# Altium PCB 掌控拓展板Ⅰ V1.5.PcbDoc (part 2 of 2)
Units mm, origin at the board's own origin, x right, y up, seen from the top; angles counter-clockwise.
Board outline 51.8 x 47.39 mm, 2 copper layers (Top Layer, Bottom Layer); 113 components, 72 nets, 365 pads, 157 vias.
Unrouted connection lines stored in the file: 2.
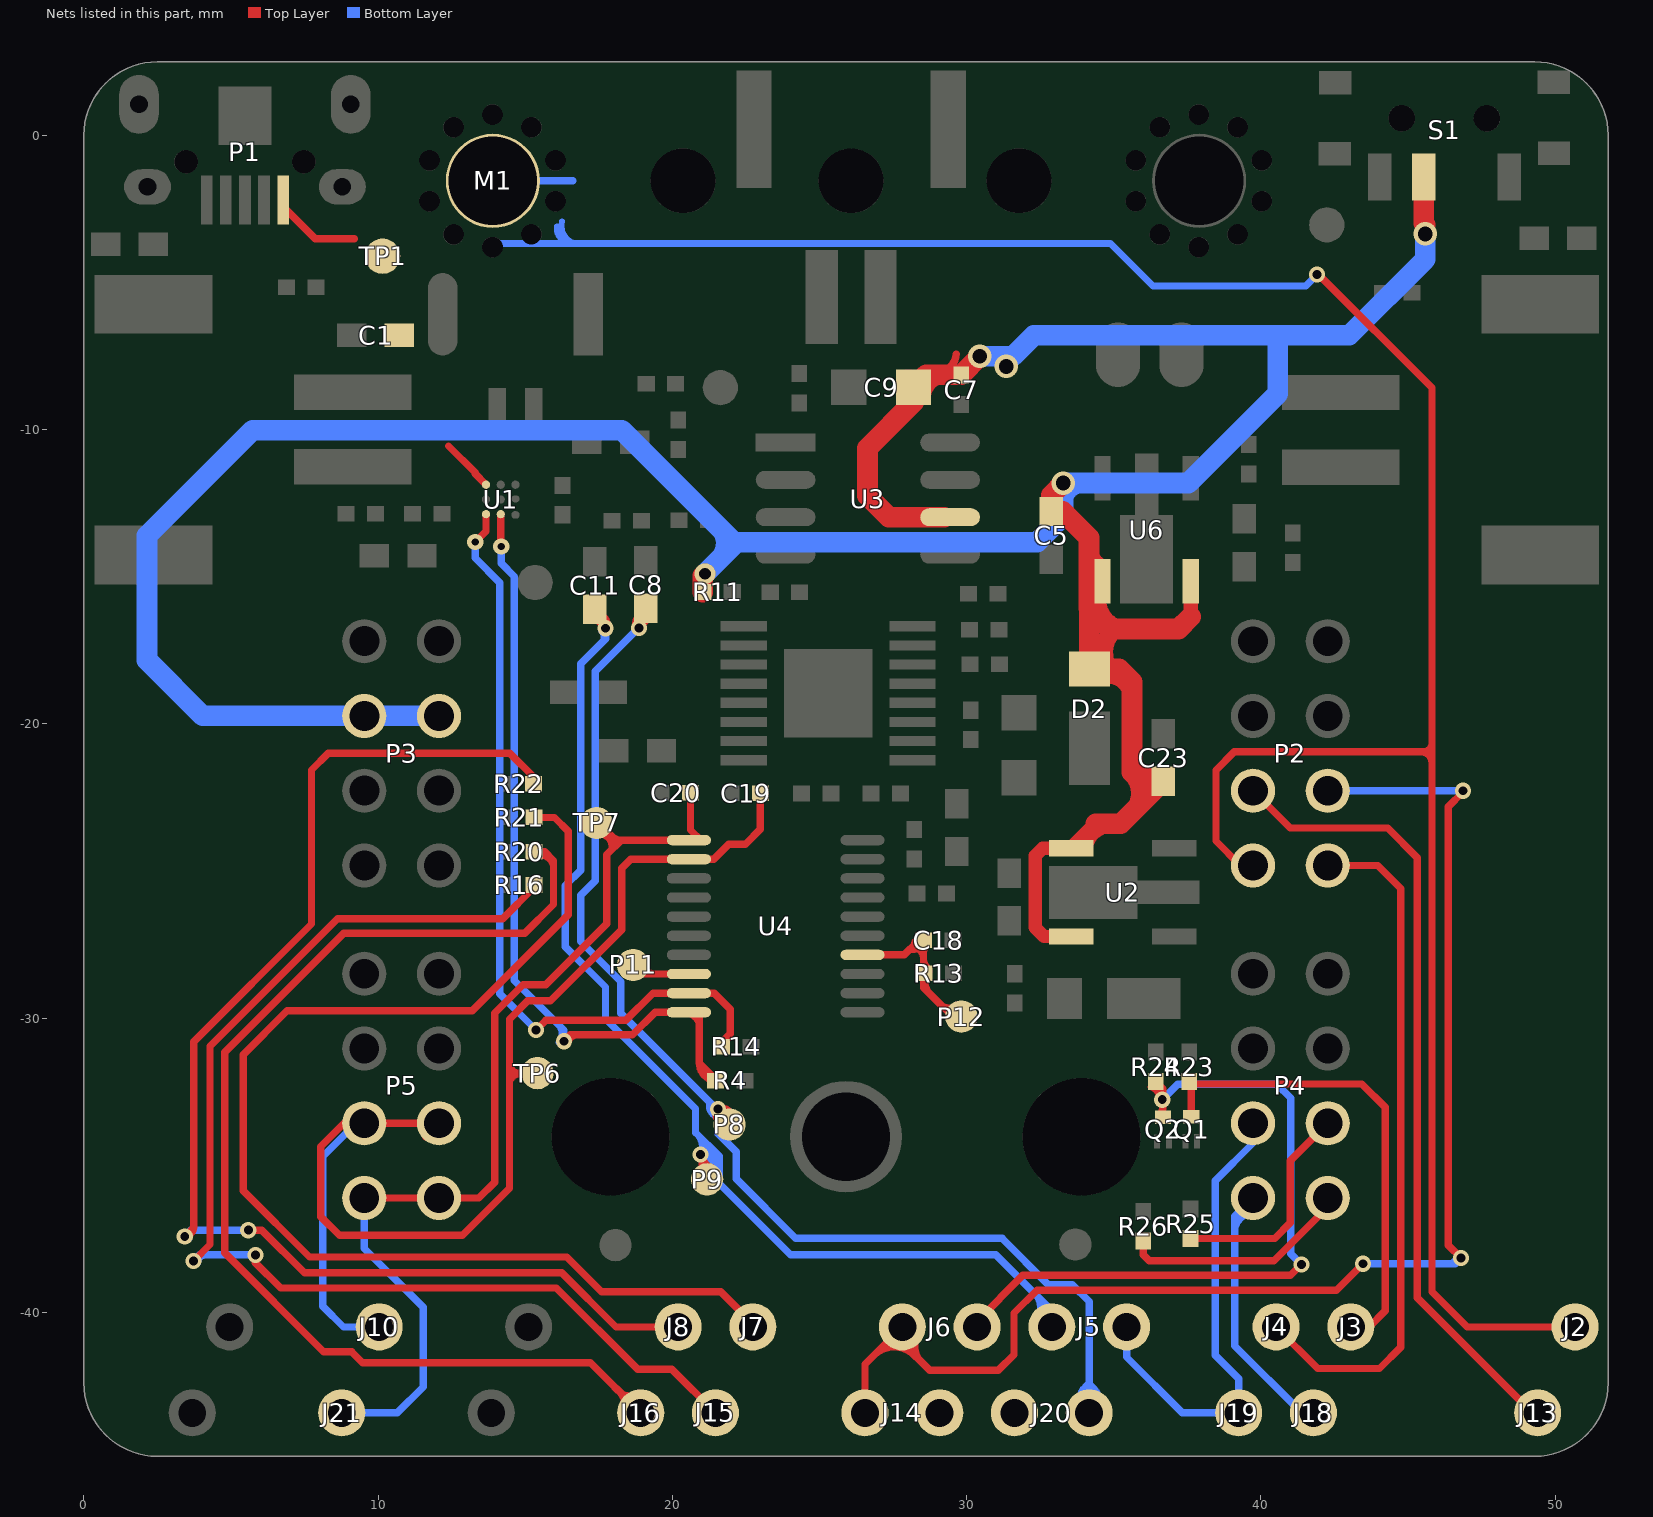
[diagram p2: the nets of this part, all layers, seen from the top]

## Via types
v1: diameter 0.55, hole 0.3, Top Layer to Bottom Layer, 118 vias
v2: diameter 0.55, hole 0.25, Top Layer to Bottom Layer, 12 vias
v3: diameter 0.6, hole 0.3, Top Layer to Bottom Layer, 9 vias
v4: diameter 0.8, hole 0.5, Top Layer to Bottom Layer, 6 vias
v5: diameter 0.7, hole 0.45, Top Layer to Bottom Layer, 5 vias
v6: diameter 0.5, hole 0.25, Top Layer to Bottom Layer, 3 vias
v7: diameter 0.65, hole 0.4, Top Layer to Bottom Layer, 2 vias
v8: diameter 0.65, hole 0.35, Top Layer to Bottom Layer, 1 vias
v9: diameter 0.7, hole 0.4, Top Layer to Bottom Layer, 1 vias

## Nets (pads, with @x,y where several pads share a name; then routed paths per layer and width w, separated by ;. In a path a pad name is that pad's centre, name@x,y a point inside that pad or via, vN(x,y) a via of type N, cw(c..) or ccw(c..) an arc to the next point about the centre after c; other vN are vias at no path point) (continued)
NRST: C18.2 P12.1 R13.2 U4.4 | length 10.2
  Top Layer w0.22: 28.068,-27.655 ccw(c28.187,-27.331) C18.2@28.51,-27.45 ; 28.213,-27.503 cw(c28.475,-27.51) C18.2@28.482,-27.248 ; C18.2@28.309,-27.591 cw(c27.98,-28.044) R13.2@28.432,-28.373 ; C18.2@28.687,-27.482 ccw(c29.12,-27.89) R13.2@28.712,-28.323 ; R13.2@28.722,-28.429 ccw(c29.15,-28.779) 28.8,-29.207 ; 29.086,-29.501 ccw(c29.396,-29.23) P12.1@29.667,-29.54
  Top Layer w0.25: U4.4@26.46,-27.848 27.884,-27.848 C18.2@28.316,-27.415 ; R13.2@28.533,-28.676 C18.2@28.533,-27.354 ; R13.2@28.548,-28.472 28.548,-28.97 29.705,-30.127 P12.1@30.159,-30.127
P0: J13.1 P2.3 | length 27.2
  Top Layer w0.25: P2.3@39.73,-22.27 40.997,-23.537 44.309,-23.537 45.314,-24.542 45.314,-39.5 49.226,-43.412 J13.1@49.405,-43.412
P1: J5.1 J19.1 P4.3 | length 16.3
  Bottom Layer w0.25: J5.1@35.434,-40.492 35.434,-41.514 37.332,-43.412 J19.1@39.245,-43.412 39.245,-42.248 38.449,-41.453 38.449,-35.523 39.73,-34.242 P4.3@39.73,-33.57
P2: J6.2 J14.2 P2.4 | length 50.8
  Top Layer w0.22: 26.897,-41.423 cw(c27.536,-42.164) 28.277,-41.526 ; J6.2@28.284,-40.765 ccw(c28.689,-41.121) 28.333,-41.526 ; J6.2@28.439,-40.628 ccw(c29.044,-41.144) 28.528,-41.749
  Top Layer w0.25: J14.2@26.544,-43.412 26.544,-41.762 J6.2@27.814,-40.492 27.814,-41.038 28.744,-41.968 31.071,-41.968 31.608,-41.43 31.608,-40.02 32.389,-39.239 42.569,-39.239 v1(43.467,-38.341) ; v1(46.801,-38.144) 46.37,-37.713 46.37,-22.809 46.866,-22.312 v1(46.866,-22.27)
  Bottom Layer w0.2: 46.345,-38.333 ccw(c46.355,-38.019) v1@46.669,-38.029
  Bottom Layer w0.25: P2.4@42.27,-22.27 v1(46.866,-22.27) ; v1(43.467,-38.341) 46.604,-38.341 v1(46.801,-38.144)
P3: J2.1 M1.1 P2.1 | length 87.5
  Top Layer w0.2: 45.436,-20.964 cw(c45.434,-21.319) 45.789,-21.321 ; 45.458,-20.939 ccw(c45.477,-20.608) 45.808,-20.627 ; 45.663,-20.949 cw(c45.442,-21.319) 45.814,-21.102
  Top Layer w0.25: P2.1@39.73,-24.81 39.302,-24.81 38.473,-23.981 38.473,-21.571 39.095,-20.949 45.663,-20.949 ; v1(41.908,-4.732) 41.971,-4.732 45.814,-8.575 45.814,-21.102 45.814,-39.293 47.013,-40.492 J2.1@50.674,-40.492
  Bottom Layer w0.2: 16.076,-3.087 ccw(c16.586,-3.157) 16.516,-3.666 ; 16.254,-2.919 ccw(c16.84,-3.08) 16.68,-3.666
  Bottom Layer w0.25: M1.1@13.9,-1.544 16.62,-1.544 ; 14.022,-3.673 18.499,-3.673 34.886,-3.673 36.333,-5.119 41.521,-5.119 v1(41.908,-4.732)
P4: 
P5: P4.4 R25.1 | length 7.5
  Top Layer w0.25: R25.1@37.607,-37.488 40.467,-37.488 40.999,-36.956 40.999,-34.841 P4.4@42.27,-33.57
P5-A: J3.2 Q1.3 R23.2 | length 16.5
  Top Layer w0.25: R23.2@37.566,-32.145 R23.2@37.63,-32.209 ; Q1.3@37.63,-33.352 R23.2@37.63,-32.209 ; J3.2@43.054,-40.492 43.679,-40.492 44.227,-39.943 44.227,-33.031 43.432,-32.236 37.657,-32.236 R23.2@37.63,-32.209
P6: J18.2 P4.1 | length 10.5
  Top Layer w0.25: P4.1@39.637,-36.11 P4.1@39.73,-36.11 ; J18.2@41.337,-43.412 J18.2@41.784,-43.412
  Bottom Layer w0.2: 39.122,-37.213 cw(c39.812,-37.306) P4.1@39.906,-36.616
  Bottom Layer w0.25: P4.1@39.73,-36.11 39.116,-36.724 39.116,-41.137 41.391,-43.412 J18.2@41.784,-43.412
P7: J4.1 P2.2 | length 23.5
  Top Layer w0.25: J4.1@40.514,-40.492 41.928,-41.905 44.029,-41.905 44.752,-41.182 44.752,-25.592 43.97,-24.81 P2.2@42.27,-24.81
P8: C8.2 J20.1 P8.1 | length 45.8
  Top Layer w0.2: v1@21.489,-33.002 ccw(c21.963,-33.21) P8.1@21.755,-33.683 ; v1@21.536,-33.031 cw(c21.624,-33.511) P8.1@22.103,-33.423 ; v1@21.7,-33.057 cw(c21.695,-33.322) P8.1@21.96,-33.327
  Top Layer w0.22: v1@18.781,-16.741 cw(c19.101,-16.576) C8.2@18.936,-16.256
  Top Layer w0.25: v1(18.861,-16.735) 19.094,-16.502 C8.2@19.094,-16.074
  Bottom Layer w0.22: 21.261,-32.854 ccw(c21.663,-32.963) v1@21.553,-33.365 ; 21.539,-33.444 ccw(c21.366,-33.264) v1(21.546,-33.091) ; J20.1@33.953,-43.552 cw(c34.627,-43.08) 34.155,-42.406 ; 34.172,-42.449 cw(c33.863,-43.006) J20.1@34.42,-43.315
  Bottom Layer w0.25: 16.885,-27.388 16.885,-25.82 17.381,-25.324 17.381,-18.215 v1(18.861,-16.735) ; 16.923,-27.426 18.251,-28.754 18.251,-29.836 v1@21.526,-33.111 ; v1@21.546,-33.131 21.546,-33.917 22.167,-34.538 22.167,-35.458 24.193,-37.483 31.205,-37.483 32.775,-39.054 33.592,-39.054 34.165,-39.627 J20.1@34.165,-43.412
P9: C11.2 J5.2 P9.1 | length 44
  Top Layer w0.22: C11.2@17.5,-16.27 cw(c17.408,-16.659) v1@17.797,-16.751 ; v1@20.881,-34.707 cw(c20.629,-34.979) P9.1@20.901,-35.23 ; v1@21.056,-34.56 ccw(c21.474,-34.666) P9.1@21.369,-35.084
  Top Layer w0.25: C11.2@17.363,-16.105 17.363,-16.383 v1(17.731,-16.751) ; P9.1@21.179,-35.475 P9.1@21.381,-35.676
  Bottom Layer w0.22: v1@17.578,-16.822 cw(c17.38,-17.039) 17.598,-17.238 ; 20.787,-33.886 cw(c20.397,-34.358) v1@20.869,-34.749 ; v1@20.901,-34.739 cw(c21.001,-35.327) 21.588,-35.227 ; v1@20.974,-34.54 cw(c21.069,-35.059) 21.588,-34.964 ; 32.199,-39.269 cw(c31.819,-39.84) J5.2@32.39,-40.221 ; 32.436,-39.496 cw(c32.05,-39.923) J5.2@32.478,-40.309
  Bottom Layer w0.25: v1(17.731,-16.751) 17.731,-17.103 16.881,-17.953 16.881,-24.969 16.358,-25.493 16.358,-27.568 17.729,-28.94 17.729,-30.021 20.787,-33.08 20.787,-33.886 ; 21.229,-34.328 20.787,-33.886 ; J5.2@32.894,-40.492 32.894,-39.943 30.986,-38.035 24.013,-38.035 21.594,-35.616 21.594,-34.693 20.787,-33.886
  other v1: 20.951,-34.634
P10: J20.2
P11: P4.2 R26.1 | length 7.9
  Top Layer w0.25: R26.1@36.004,-37.566 36.004,-38.037 36.206,-38.239 40.446,-38.239 42.27,-36.415 P4.2@42.27,-36.11
P11-A: J6.1 Q2.3 R24.2 | length 25
  Top Layer w0.2: R24.2@36.25,-32.335 cw(c35.961,-32.952) Q2.3@36.578,-33.242
  Top Layer w0.25: J6.1@30.354,-40.492 30.354,-40.295 31.91,-38.739 41.005,-38.739 v1(41.373,-38.37) ; R24.2@36.42,-32.151 36.671,-32.402 Q2.3@36.671,-33.364
  Bottom Layer w0.25: v1(36.648,-32.768) 37.174,-32.242 40.543,-32.242 41.011,-32.709 41.011,-38.008 v1(41.373,-38.37)
P12: J14.1
P13: J7.2 R21.1 | length 41.1
  Top Layer w0.25: R21.1@15.291,-23.178 15.996,-23.178 16.463,-23.645 16.463,-26.482 13.196,-29.749 6.905,-29.749 5.414,-31.24 5.414,-35.859 7.67,-38.115 16.416,-38.115 17.593,-39.293 21.643,-39.293 22.734,-40.384 J7.2@22.734,-40.492
P14: J15.2 R16.1 | length 42.2
  Top Layer w0.25: v1(3.73,-38.249) 4.288,-37.692 4.288,-30.951 8.623,-26.616 14.24,-26.616 15.298,-25.558 R16.1@15.298,-25.473 ; v1(5.83,-38.041) 5.83,-38.306 6.694,-39.17 16.057,-39.17 18.819,-41.932 19.985,-41.932 J15.2@21.464,-43.412 J15.2@21.464,-42.757
  Bottom Layer w0.2: v1@3.877,-38.327 cw(c4.155,-38.342) 4.17,-38.064
  Bottom Layer w0.25: v1(3.73,-38.249) 3.938,-38.041 v1(5.83,-38.041)
P15: J8.1 R22.2 | length 45.1
  Top Layer w0.22: v1(3.432,-37.419) ccw(c3.432,-37.114) 3.737,-37.114
  Top Layer w0.25: v1(3.432,-37.419) 3.737,-37.114 3.737,-30.795 7.735,-26.797 7.735,-21.563 8.302,-20.996 14.476,-20.996 15.285,-21.805 R22.2@15.285,-22.036 ; v1(5.591,-37.203) 6.05,-37.203 7.501,-38.653 16.247,-38.653 18.085,-40.492 J8.1@20.194,-40.492
  Bottom Layer w0.2: v1@3.573,-37.493 cw(c3.848,-37.473) 3.827,-37.198
  Bottom Layer w0.25: v1(3.432,-37.419) 3.432,-37.4 3.629,-37.203 v1(5.591,-37.203)
P16: J16.1 R20.2 | length 41.4
  Top Layer w0.2: R20.2@15.39,-24.477 cw(c15.486,-24.939) 15.948,-24.842
  Top Layer w0.22: 18.049,-42.58 cw(c17.713,-43.149) J16.1@18.282,-43.485 ; 18.056,-42.566 ccw(c18.531,-42.256) J16.1@18.841,-42.732
  Top Layer w0.25: R20.2@15.304,-24.344 15.661,-24.344 15.963,-24.645 15.963,-26.137 14.983,-27.116 8.83,-27.116 4.788,-31.158 4.788,-37.971 8.157,-41.34 9.104,-41.34 9.471,-41.707 17.22,-41.707 J16.1@18.925,-43.412
SCL: C19.2 J10.1 P5.3 P5.4 TP6.1 U4.12 | length 45.5
  Top Layer w0.2: 14.457,-32.338 cw(c14.848,-32.299) 14.809,-31.907 ; 14.462,-31.402 ccw(c14.861,-31.465) 14.798,-31.864
  Top Layer w0.25: P5.4@11.612,-34.027 P5.4@12.07,-33.57 P5.3@9.53,-33.57 8.842,-33.57 8.054,-34.357 8.054,-36.742 8.689,-37.376 12.866,-37.376 14.466,-35.777 14.466,-30.031 15.088,-29.408 15.86,-29.408 18.274,-26.994 18.274,-24.904 18.58,-24.598 U4.12@20.56,-24.598 21.405,-24.598 21.917,-24.086 22.485,-24.086 22.99,-23.581 C19.2@22.99,-22.351 ; 14.472,-31.868 TP6.1@15.416,-31.868
  Bottom Layer w0.25: P5.3@9.53,-33.57 9.248,-33.57 8.118,-34.7 8.118,-39.786 8.823,-40.492 J10.1@10.034,-40.492
SCL1: R4.1 U1.C2 U4.20 | length 29.3
  Top Layer w0.2: v1@16.462,-30.855 cw(c16.79,-30.913) 16.847,-30.585 ; U4.20@20.343,-29.832 cw(c20.398,-30.356) 20.922,-30.3
  Top Layer w0.22: 20.916,-31.535 ccw(c21.484,-31.556) R4.1@21.463,-32.125
  Top Layer w0.25: v2@14.168,-13.957 U1.C2@14.168,-12.872 ; v1(16.314,-30.781) 16.529,-30.567 18.646,-30.567 19.415,-29.798 U4.20@20.56,-29.798 U4.20@20.976,-29.798 ; U4.20@20.916,-29.838 20.916,-31.535 21.307,-31.926 R4.1@21.52,-32.139
  Bottom Layer w0.2: 16.083,-30.203 cw(c15.801,-30.537) v1@16.136,-30.82
  Bottom Layer w0.25: v2(14.182,-13.971) 14.182,-14.539 14.632,-14.989 14.632,-28.72 16.314,-30.402 v1(16.314,-30.781)
SDA: C20.2 J21.1 P5.1 P5.2 TP7.1 U4.11 | length 36
  Top Layer w0.22: TP7.1@17.614,-23.757 cw(c17.506,-24.18) 17.928,-24.288 ; TP7.1@17.762,-23.322 ccw(c18.326,-23.384) 18.264,-23.948
  Top Layer w0.25: P5.1@9.53,-36.11 P5.2@12.07,-36.11 13.426,-36.11 13.966,-35.57 13.966,-29.824 14.924,-28.866 15.695,-28.866 17.774,-26.787 17.774,-24.438 18.264,-23.948 ; TP7.1@17.426,-23.365 18.01,-23.948 18.264,-23.948 ; C20.2@20.618,-22.338 20.618,-23.606 20.96,-23.948 U4.11@20.56,-23.948 18.264,-23.948
  Bottom Layer w0.25: J21.1@8.765,-43.412 10.652,-43.412 11.53,-42.534 11.53,-39.824 9.53,-37.824 P5.1@9.53,-36.11
SDA1: R14.1 U1.C1 U4.19 | length 27.8
  Top Layer w0.22: R14.1@21.522,-30.834 ccw(c21.592,-30.454) 21.972,-30.525
  Top Layer w0.25: v2(13.299,-13.816) 13.668,-13.447 U1.C1@13.668,-12.872 ; v1(15.368,-30.402) 15.703,-30.067 18.42,-30.067 19.34,-29.148 U4.19@20.56,-29.148 21.424,-29.148 21.972,-29.696 21.972,-30.525 R14.1@21.641,-30.856
  Bottom Layer w0.25: v2(13.299,-13.816) 13.299,-14.363 14.132,-15.197 14.132,-29.167 v1(15.368,-30.402)
SWIM: P11.1 U4.18 | length 2.8
  Top Layer w0.22: P11.1@18.943,-28.022 ccw(c19.394,-28.032) 19.385,-28.483
  Top Layer w0.25: P11.1@18.607,-28.217 18.888,-28.498 U4.18@20.56,-28.498
VBUS: C1.1 P1.1 TP1.1 U1.A1 | length 4.9
  Top Layer w0.25: P1.1@6.775,-2.196 6.775,-2.429 7.861,-3.515 9.185,-3.515 ; 12.392,-10.553 13.297,-11.458 13.297,-11.5 U1.A1@13.668,-11.872
VCC: C5.1 C7.1 C9.1 C23.1 D2.A P3.5 P3.6 R11.1 S1.3 U2.4 U2.5 U3.6 U6.4 U6.5 | length 137.9
  Top Layer w0.2: U2.4@34.145,-24.262 cw(c34.835,-24.297) 34.87,-23.607 ; U2.4@34.17,-24.294 cw(c34.914,-24.357) 34.977,-23.613 ; 34.314,-17.516 cw(c34.949,-17.548) 34.981,-16.913 ; 34.391,-13.867 ccw(c34.896,-14.027) U6.4@34.735,-14.533 ; D2.A@34.56,-17.808 cw(c35.218,-17.571) 34.981,-16.913 ; U6.4@34.695,-15.644 ccw(c35.11,-15.995) 34.759,-16.41 ; U6.4@34.694,-15.492 ccw(c35.464,-15.782) 35.174,-16.551 ; D2.A@34.735,-18.545 cw(c34.82,-19.162) 35.437,-19.077 ; 34.887,-17.931 cw(c35.443,-17.469) 34.981,-16.913 ; 35.022,-18.03 cw(c35.689,-17.562) 35.221,-16.895 ; 35.449,-21.808 cw(c34.943,-22.349) 35.484,-22.855 ; 35.554,-21.843 cw(c35.13,-22.314) 35.601,-22.738 ; 35.718,-22.767 ccw(c35.376,-22.396) 35.747,-22.054 ; 35.735,-21.171 ccw(c36.297,-21.013) C23.1@36.455,-21.574
  Top Layer w0.25: C9.1@28.651,-8.998 cw(c29.304,-8.951) 29.257,-8.298 ; 29.003,-8.039 ccw(c29.019,-7.417) 29.641,-7.432
  Top Layer w0.45: U2.5@33.555,-27.225 32.637,-27.225 32.332,-26.92 32.332,-24.481 32.587,-24.225 U2.4@33.555,-24.225
  Top Layer w0.5: U2.4@33.555,-24.225 34.388,-23.392 ; 37.612,-16.358 U6.5@37.612,-15.153
  Top Layer w0.7: R11.1@21.035,-15.517 21.035,-14.97 v9(21.11,-14.895) ; C9.1@27.982,-8.309 C9.1@28.045,-8.309 ; U3.6@29.237,-12.975 27.358,-12.975 26.63,-12.247 26.63,-10.63 28.196,-9.064 C9.1@28.196,-8.557 28.621,-8.132 29.822,-8.132 v4(30.444,-7.51) ; v4(33.287,-11.814) 32.871,-12.23 C5.1@32.871,-12.782 33.265,-12.782 34.156,-13.673 34.156,-16.071 34.17,-16.085 ; 34.388,-23.392 35.239,-23.392 C23.1@36.68,-21.951 35.933,-21.951 35.62,-21.639 35.62,-18.574 35.178,-18.132 D2.A@34.17,-18.132 34.17,-16.085 ; 37.612,-16.358 37.198,-16.773 34.858,-16.773 34.17,-16.085 ; S1.3@45.532,-1.419 45.532,-2.989 v4@45.581,-3.038
  Bottom Layer w0.2: 21.35,-14.324 ccw(c20.993,-13.86) 21.457,-13.504 ; 33.476,-12.577 cw(c33.987,-12.552) 33.962,-12.041
  Bottom Layer w0.7: P3.6@12.071,-19.729 P3.5@9.531,-19.729 4.046,-19.729 2.147,-17.83 2.147,-13.605 5.739,-10.014 18.282,-10.014 22.094,-13.826 22.179,-13.826 ; v9(21.11,-14.895) 22.179,-13.826 ; v4(30.444,-7.51) v4@31.346,-7.51 ; 31.572,-7.51 32.287,-6.794 40.577,-6.794 ; v4(45.581,-3.35) 45.581,-4.214 43.001,-6.794 40.577,-6.794 ; 22.179,-13.826 32.392,-13.826 33.287,-12.931 v4(33.287,-11.814) 37.537,-11.814 40.577,-8.774 40.577,-6.794
  other v4: 31.346,-7.852
pads on no net: "P1. " B1. B2. BT1.3 BT1.4 M1.12 M1.13 M1.14 M1.15 M1.16 M1.18 M1.19 M1.20 M1.22 M1.24 M2.12 M2.13 M2.14 M2.15 M2.16 M2.18 M2.19 M2.20 M2.22 M2.24 P1.2 P1.3 P1.4 P10.2@22.773,0.206 P10.3 S1.0 S1.1 S2.0 S2.1 S2.2 S2.3 S3.0 S3.1 S3.2 S3.3 S4.0 S4.1 S4.2 S4.3 S5.0 S5.1 S5.2 S5.3 U2.3 U4.5 U4.6 U4.10 U4.15 U5.8 U6.3
copper on no net: | length 0
  Bottom Layer w0.58: 23.799,-30.428 23.829,-30.428

## Polygon pours and split planes (outlines as drawn)
AU_GND on Top Layer "Bottom Layer-No Net" (solid, remove dead copper, pour order 8): 22.226,-3.339 21.961,-3.603 21.961,-11.108 21.961,-14.652 22.819,-15.509 23.248,-15.938 28.532,-15.938 28.532,-15.736 29.238,-15.03 29.491,-14.778 30.071,-14.778 30.664,-14.778 31.244,-14.198 32.215,-13.227 32.215,-12.079 32.215,-11.839 32.795,-11.259 34.031,-10.023 36.44,-10.023 36.453,-10.01 38.546,-10.01 39.543,-10.01 39.682,-9.872 39.782,-9.771 39.782,-8.774 39.782,-6.681 38.925,-5.823 38.647,-5.546 37.903,-5.546 36.894,-5.546 35.822,-4.473 34.548,-3.2 29.667,-3.2 22.365,-3.2 22.214,-3.351
GND on Top Layer "Bottom Layer-No Net" (solid, remove dead copper, pour order 16): 0.376,3.52 0.47,3.614 52.59,3.614 52.59,-44.201 51.561,-45.231 51.467,-45.324 -0.653,-45.324 -0.653,2.211 0.47,3.333
GND on Bottom Layer "Bottom Layer-No Net" (solid, remove dead copper, pour order 18): 0.002,3.801 52.122,3.801 52.122,-44.108 51.748,-44.482 50.813,-45.418 -0.278,-45.418 -0.278,3.895
AU_GND on Bottom Layer "Bottom Layer-No Net" (solid, remove dead copper, pour order 10): 21.873,-3.591 22.15,-3.869 22.15,-13.201 22.15,-13.252 22.592,-13.693 22.642,-13.743 25.959,-13.743 31.648,-13.743 32.202,-13.189 32.404,-12.987 32.404,-12.344 32.404,-11.663 32.833,-11.234 34.031,-10.036 35.217,-10.036 38.862,-10.036 39.366,-9.531 39.908,-8.989 39.908,-8.169 39.908,-6.126 39.177,-5.394 38.963,-5.18 37.348,-5.18 35.948,-5.18 34.258,-3.49 34.208,-3.439 22.201,-3.439 22.201,-3.591 22.075,-3.717

## Keep-outs
Keep-Out Layer:
  lines w0.013: -0.028,0 0,0 ; 2.5,2.519 2.5,2.5 ; 49.3,-44.888 49.25,-44.888 2.55,-44.888 2.5,-44.888 ; 151.549,31.319 147.549,31.319 147.549,-67.463 151.549,-67.463 151.549,-63.961 ; 151.549,-23.573 151.549,-12.571 ; 151.549,27.817 151.549,31.319 ; 153.549,-64.958 ccw(c156.056,-64.951) 156.049,-67.459 156.099,-67.459 202.799,-67.459 ; 153.549,-22.571 cw(c156.056,-22.578) 156.049,-20.071 ; 156.049,-67.458 cw(c156.056,-64.951) 153.549,-64.958 ; 156.099,-67.458 202.799,-67.458 ; 156.099,-20.071 202.799,-20.071 ; 202.849,-20.071 cw(c202.842,-22.578) 205.349,-22.571 ; 209.349,-64.953 ccw(c211.856,-64.946) 211.849,-67.453 211.899,-67.453 258.599,-67.453 258.649,-67.453 ccw(c258.642,-64.946) 261.149,-64.954 ; 209.349,-22.565 cw(c211.856,-22.573) 211.849,-20.066 ; 211.835,-16.063 211.899,-16.063 ; 211.849,-67.453 cw(c211.856,-64.946) 209.349,-64.953 ; 211.899,-67.453 258.599,-67.453 ; 211.899,-20.065 258.599,-20.065 ; 263.149,-63.951 263.149,-67.453 267.15,-67.453 ; 263.149,-23.563 263.149,-12.561 ; 263.149,27.827 263.149,31.329 267.149,31.329 267.149,-67.453 ; 0,-42.388 ccw(c2.507,-42.381) 2.5,-44.888 ; 0,-42.388 ccw(c2.507,-42.381) 2.5,-44.888 ; 0,-42.388 0,0 ; 0,-42.388 0,0 ; 0,0 cw(c2.507,-0.007) 2.5,2.5 ; 0,0 cw(c2.507,-0.007) 2.5,2.5 ; 2.5,2.5 2.55,2.5 ; 2.5,2.5 2.55,2.5 ; 2.55,2.5 49.25,2.5 ; 2.55,2.5 49.25,2.5 ; 49.25,2.5 49.3,2.5 ; 49.25,2.5 49.3,2.5 ; 49.3,2.5 cw(c49.293,-0.007) 51.8,0 ; 49.3,2.5 cw(c49.293,-0.007) 51.8,0 ; 51.8,-42.388 cw(c49.293,-42.38) 49.3,-44.888 ccw(c49.293,-42.38) 51.8,-42.388 ; 51.8,-42.388 51.8,0 ; 51.8,-42.388 51.8,0 ; 153.549,-64.958 153.549,-22.571 ; 153.549,-64.958 153.549,-22.571 ; 153.549,-64.958 153.549,-22.571 ; 153.549,-22.571 cw(c156.056,-22.578) 156.049,-20.071 ; 153.549,28.819 cw(c156.056,28.812) 156.049,31.319 ; 153.549,28.819 cw(c156.056,28.812) 156.049,31.319 ; 153.549,28.819 cw(c156.056,28.812) 156.049,31.319 ; 153.549,28.819 153.549,-13.568 153.549,28.819 ; 156.049,-20.071 156.099,-20.071 202.799,-20.071 202.849,-20.071 ; 156.049,-16.069 cw(c156.056,-13.561) 153.549,-13.569 ccw(c156.056,-13.561) 156.049,-16.069 ; 156.049,-16.069 156.099,-16.069 ; 156.049,31.319 156.099,31.319 ; 156.099,-16.069 202.799,-16.069 ; 156.099,-16.069 202.799,-16.069 ; 156.099,31.319 202.799,31.319 ; 156.099,31.319 202.799,31.319 ; 202.799,-16.068 202.849,-16.068 ; 202.799,31.319 202.849,31.319 ; 202.849,-67.458 ccw(c202.842,-64.951) 205.349,-64.958 ; 202.849,-67.458 ccw(c202.842,-64.951) 205.349,-64.958 ; 202.849,-67.458 ccw(c202.842,-64.951) 205.349,-64.958 ; 202.849,-20.071 cw(c202.842,-22.578) 205.349,-22.571 ; 202.849,-20.071 cw(c202.842,-22.578) 205.349,-22.571 ; 202.849,-20.071 cw(c202.842,-22.578) 205.349,-22.571 ; 202.849,-16.068 ccw(c202.842,-13.561) 205.349,-13.568 ; 202.849,-16.068 ccw(c202.842,-13.561) 205.349,-13.568 ; 202.849,31.319 cw(c202.842,28.812) 205.349,28.819 ; 202.849,31.319 cw(c202.842,28.812) 205.349,28.819 ; 202.849,31.319 cw(c202.842,28.812) 205.349,28.819 ; 202.849,31.319 cw(c202.842,28.812) 205.349,28.819 ; 205.349,-64.958 205.349,-22.571 ; 205.349,-64.958 205.349,-22.571 ; 205.349,-13.568 205.349,28.819 ; 205.349,-13.569 205.349,28.819 ; 205.349,-13.569 205.349,28.819 ; 209.349,-64.953 209.349,-22.565 ; 209.349,-64.953 209.349,-22.565 ; 209.349,-64.953 209.349,-22.565 ; 209.349,-22.565 cw(c211.856,-22.573) 211.849,-20.066 ; 209.349,28.825 cw(c211.856,28.817) 211.849,31.324 ; 209.349,28.825 cw(c211.856,28.817) 211.849,31.324 ; 209.349,28.825 cw(c211.856,28.817) 211.849,31.324 ; 209.349,28.825 209.349,-13.563 209.349,28.825 ; 211.849,-20.066 211.899,-20.066 258.599,-20.066 258.649,-20.066 ; 211.899,-16.063 258.599,-16.063 ; 211.899,-16.063 258.599,-16.063 ; 258.599,-16.063 258.649,-16.063 ; 258.599,31.324 258.649,31.324 ; 258.599,31.324 211.899,31.324 258.599,31.324 ; 258.649,-20.066 cw(c258.642,-22.573) 261.149,-22.565 ; 258.649,-20.066 cw(c258.642,-22.573) 261.149,-22.565 ; 258.649,-16.063 ccw(c258.642,-13.556) 261.149,-13.563 ; 258.649,-16.063 ccw(c258.642,-13.556) 261.149,-13.563 ; 258.649,31.324 cw(c258.642,28.817) 261.149,28.825 ; 258.649,31.324 cw(c258.642,28.817) 261.149,28.825 ; 258.649,31.324 cw(c258.642,28.817) 261.149,28.825 ; 258.649,31.324 cw(c258.642,28.817) 261.149,28.825 ; 261.149,-64.953 cw(c258.642,-64.946) 258.649,-67.453 ccw(c258.642,-64.946) 261.149,-64.953 ; 261.149,-64.953 261.149,-22.565 ; 261.149,-64.953 261.149,-22.565 ; 261.149,-22.565 ccw(c258.642,-22.572) 258.649,-20.065 cw(c258.642,-22.573) 261.149,-22.565 ; 261.149,-13.563 261.149,28.825 ; 261.149,-13.563 261.149,28.825 ; 261.149,-13.563 261.149,28.825 ; 19.264,-1.545 cw(c20.364,-1.545) 20.364,-0.445 cw(c20.364,-1.545) 21.464,-1.545 cw(c20.364,-1.545) 20.364,-2.645 cw(c20.364,-1.545) 19.264,-1.545 ; 24.973,-1.545 cw(c26.073,-1.545) 26.073,-0.445 cw(c26.073,-1.545) 27.173,-1.545 cw(c26.073,-1.545) 26.073,-2.645 cw(c26.073,-1.545) 24.973,-1.545 ; 30.681,-1.545 cw(c31.781,-1.545) 31.781,-0.445 cw(c31.781,-1.545) 32.881,-1.545 cw(c31.781,-1.545) 31.781,-2.645 cw(c31.781,-1.545) 30.681,-1.545 ; 209.349,-13.563 ccw(c211.856,-13.556) 211.849,-16.063 cw(c211.856,-13.556) 209.349,-13.563
  lines w0.05: 151.549,-58.961 cw(c152.549,-58.961) 153.549,-58.958 ; 151.549,-28.573 ccw(c152.549,-28.57) 153.549,-28.57 ; 151.549,-7.571 cw(c152.549,-7.571) 153.549,-7.568 ; 151.549,22.817 ccw(c152.549,22.82) 153.549,22.82 ; 205.35,-58.958 cw(c207.35,-58.958) 209.35,-58.953 ; 205.349,-28.57 ccw(c207.349,-28.565) 209.349,-28.565 ; 205.349,-7.568 cw(c207.349,-7.568) 209.349,-7.563 ; 205.349,22.82 ccw(c207.349,22.825) 209.349,22.825 ; 261.149,-58.954 cw(c262.149,-58.954) 263.149,-58.951 ; 261.149,-28.566 ccw(c262.149,-28.563) 263.149,-28.563 ; 261.149,-7.564 cw(c262.149,-7.564) 263.149,-7.561 ; 261.149,22.824 ccw(c262.149,22.827) 263.149,22.827

## Other copper
Top Layer:
  region net NetS1_2: 13.401,-8.243 13.205,-8.243 13.205,-10.425 13.401,-10.425
  region net GND: 31.724,-24.136 31.215,-24.136 31.215,-24.996 31.724,-24.996
  region net GND: 38.537,-33.961 37.782,-33.961 37.782,-34.417 38.537,-34.417
  region net GND: 31.735,-29.23 30.776,-29.23 30.776,-29.937 31.735,-29.937
  region net 3V3_1: 31.636,-27.224 30.899,-27.224 30.899,-28.709 31.636,-28.709
  region net GND: 31.083,-29.253 31.083,-29.926 31.893,-29.926 31.893,-29.253
  region net GND: 29.83,-25.512 29.267,-25.512 29.267,-27.595 29.83,-27.595
  region net GND: 28.859,-22.886 28.359,-22.886 28.359,-23.601 28.859,-23.601
  region net GND: 28.843,-23.291 27.97,-23.291 27.97,-23.88 28.843,-23.88
  region net AU_GND: 24.03,-9.609 23.32,-9.609 23.32,-10.435 24.03,-10.435
  region net AU_GND: 25.356,-9.828 24.751,-9.828 24.751,-10.737 25.356,-10.737
  region net AU_GND: 29.951,-11.455 27.832,-11.455 27.832,-11.978 29.951,-11.978
  region net AU_GND: 39.789,-9.736 39.357,-9.736 39.357,-10.701 39.789,-10.701
  region net GND: 16.335,-18.03 15.36,-18.03 15.36,-18.922 16.335,-18.922
  region net AU_GND: 30.747,-8.942 29.291,-8.942 29.291,-9.732 30.747,-9.732
  region net AU_GND: 25.051,-9.018 23.67,-9.018 23.67,-10.398 25.051,-10.398
  region net GND: 35.314,-0.299 34.086,-0.299 34.086,-0.986 35.314,-0.986
  region net VCC: 45.959,-2.995 45.096,-2.995 45.096,-3.984 45.959,-3.984
  region net NetS1_2: 44.479,-2.932 43.574,-2.932 43.574,-3.872 44.479,-3.872
  region net NetS1_2: 44.058,-2.154 42.789,-2.154 42.789,-2.869 44.058,-2.869
  region net GND: 32.112,-17.742 31.224,-17.742 31.224,-18.199 32.112,-18.199
  region net GND: 4.126,-1.795 0.972,-1.795 0.972,-2.388 4.126,-2.388
  region net GND: 4.175,-1.622 2.669,-1.622 2.669,-2.196 4.175,-2.196
  region net GND: 22.448,-22.821 21.3,-22.821 21.3,-23.339 22.448,-23.339
  region net GND: 22.282,-22.043 21.411,-22.043 21.411,-23.185 22.282,-23.185
  region net GND: 41.365,0.817 39.711,0.817 39.711,-0.084 41.365,-0.084
  region net NetS1_2: 44.484,-1.477 43.555,-1.477 43.555,-3.432 44.484,-3.432
  region net VCC: 45.989,-1.575 45.082,-1.575 45.082,-3.446 45.989,-3.446
  region net NetBT1_1: 14.997,-11.088 14.997,-8.79 15.161,-8.626 16.816,-8.626 17.582,-9.392 17.582,-10.749 17.202,-11.129 15.436,-11.129 14.694,-11.872 14.668,-11.872 14.668,-11.771 14.632,-11.735 14.904,-11.463 14.904,-11.083
  region net NetS1_2: 12.646,-8.729 12.55,-8.632 12.55,-8.155 12.547,-8.158 12.5,-8.112 12.5,-7.901 13.658,-6.743 14.047,-6.743 14.22,-6.916 14.22,-7.492 13.304,-8.407 13.304,-8.886 13.152,-8.886 13.029,-9.009 12.743,-8.723 12.664,-8.723
  region net VBUS: 6.681,-2.07 6.587,-2.164 6.587,-3.099 6.745,-3.257 7.231,-3.257 7.956,-3.982 8.979,-3.982 10.266,-5.269 10.266,-7.626 10.407,-7.767 11.167,-7.767 11.477,-8.076 11.477,-10.591 12.509,-11.623 13.389,-11.623 13.389,-11.445 13.389,-11.366 12.137,-10.114 12.137,-8.088 12.137,-7.936 11.235,-7.186 11.235,-4.039 9.933,-2.737 8.213,-2.737 7.617,-2.433 6.868,-1.684 6.74,-1.684 6.74,-1.772 6.669,-1.842
  region net NetS1_2: 14.168,-11.872 14.109,-11.812 14.109,-11.708 12.5,-10.109 12.5,-8.065 12.652,-7.913 13.038,-7.913 13.354,-8.229 13.354,-10.238 13.746,-10.629 14.129,-10.629 14.363,-10.863 14.363,-11.015 14.289,-11.172 14.269,-11.77
  region net GND: 36.902,-34.85 37.145,-35.093 37.145,-35.873 37.031,-35.987 36.694,-35.987 36.604,-35.897 36.604,-35.005 36.806,-34.803 36.841,-34.838 36.926,-34.838
  region net NetC12_1: 28.69,-19.199 28.69,-19.356 28.788,-19.454 29.459,-19.454 29.806,-19.801 30.664,-19.801 31.159,-20.296 32.663,-20.296 33.022,-20.655 33.022,-21.841 33.275,-22.093 34.624,-22.093 34.851,-21.866 34.851,-19.678 34.624,-19.451 33.369,-19.451 32.764,-18.845 31.086,-18.845 30.752,-19.18 28.826,-19.18 28.797,-19.151
  region: 29.926,-8.324 29.993,-8.391 31.474,-8.391 31.854,-8.012 31.854,-7.277 31.553,-6.976 29.775,-6.976 29.495,-7.256 29.495,-8.09 29.796,-8.391 30.019,-8.391
  pour cut-out: 23.343,-33.51 23.29,-33.715 23.267,-34.055 23.302,-34.423 23.372,-34.771 23.559,-35.227 23.832,-35.657 24.282,-36.137 24.744,-36.414 25.445,-36.654 26.065,-36.678 26.94,-36.476 27.524,-36.125 27.963,-35.686 28.291,-35.218 28.489,-34.581 28.554,-33.932 28.466,-33.35 28.185,-32.692 27.805,-32.177 27.291,-31.727 26.811,-31.516 26.367,-31.405 25.729,-31.388 25.185,-31.47 24.653,-31.686 24.08,-32.061 23.694,-32.534 23.477,-32.979 23.349,-33.344 23.328,-33.499
  pour cut-out: 22.004,-36.926 21.957,-33.581 23.476,-31.513 25.103,-30.458 27.244,-30.212 28.565,-31.101 29.022,-34.177 28.601,-35.99 26.285,-37.219 22.015,-36.973
Bottom Layer:
  region net GND: 35.431,-1.114 34.287,-1.114 34.287,-2.092 35.431,-2.092
  region net GND: 40.47,-0.889 40.47,-1.913 41.741,-1.913 41.741,-0.889
  region net VCC: 31.771,-7.033 29.905,-7.033 29.905,-8.381 31.771,-8.381
  pour cut-out: 23.343,-33.51 23.29,-33.715 23.267,-34.055 23.302,-34.423 23.372,-34.771 23.559,-35.227 23.832,-35.657 24.282,-36.137 24.744,-36.414 25.445,-36.654 26.065,-36.678 26.94,-36.476 27.524,-36.125 27.963,-35.686 28.291,-35.218 28.489,-34.581 28.554,-33.932 28.466,-33.35 28.185,-32.692 27.805,-32.177 27.291,-31.727 26.811,-31.516 26.367,-31.405 25.729,-31.388 25.185,-31.47 24.653,-31.686 24.08,-32.061 23.694,-32.534 23.477,-32.979 23.349,-33.344 23.328,-33.499
  pour cut-out: 22.284,-31.756 21.828,-32.516 21.945,-33.967 22.799,-35.85 23.969,-36.973 24.518,-37.102 27.139,-37.148 28.472,-36.973 29.244,-36.084 29.829,-34.926 29.84,-33.16 29.045,-31.885 27.91,-30.61 24.799,-30.481 23.273,-30.955 22.284,-31.744

## Silkscreen, mask and mechanical layers (free items; w line width, h text height)
Top Overlay:
  circle w0.25: c23.103,-9.486 r0.367
  region: 36.51,-6.431 35.966,-6.431 35.966,-8.688 36.51,-8.688
  rectangle: 16.731,56.942 18.472,58.678
  rectangle: 30.951,61.468 32.765,63.282
  rectangle: 62.431,69.956 64.318,71.847
  lines w0.127: -11.713,23.193 70.952,23.193 ; -11.71,28.668 70.952,28.668 ; -11.709,90.788 70.952,90.762 ; -11.699,56.058 70.952,56.012 ; -11.679,68.658 70.952,68.658 ; -11.679,73.328 70.952,73.328 ; -11.679,77.948 70.952,77.948 ; -11.659,60.458 70.952,60.458 ; -11.639,81.898 70.952,81.898 ; -11.619,64.668 70.952,64.668 ; -11.619,86.008 70.952,86.008 ; 70.952,17.912 70.952,103.512 ; 70.952,17.918 -11.711,17.918 -11.711,103.518 ; 70.952,95.512 -11.711,95.512 -11.711,103.518 ; 70.952,103.518 -11.711,103.518 ; 16.658,56.864 16.658,58.756 18.55,58.756 18.55,56.864 16.658,56.864 ; 16.695,61.386 16.695,63.277 18.586,63.277 18.586,61.386 16.695,61.386 ; 16.728,69.941 16.728,71.833 18.614,71.833 18.614,69.941 16.728,69.941 ; 16.731,56.942 16.731,58.678 18.472,58.678 18.472,56.942 16.731,56.942 ; 16.773,61.464 16.773,63.199 18.508,63.199 18.508,61.464 16.773,61.464 ; 16.801,70.019 16.801,71.755 18.541,71.755 18.541,70.019 16.801,70.019 ; 28.859,69.868 30.751,69.868 30.751,71.76 28.859,71.76 28.859,69.868 ; 28.937,69.946 30.673,69.946 30.673,71.682 28.937,71.682 28.937,69.946 ; 30.882,61.386 32.774,61.386 32.774,63.277 30.882,63.277 30.882,61.386 ; 30.941,56.914 32.832,56.914 32.832,58.806 30.941,58.806 30.941,56.914 ; 30.96,61.464 32.696,61.464 32.696,63.199 30.96,63.199 30.96,61.464 ; 31.019,56.992 32.754,56.992 32.754,58.728 31.019,58.728 31.019,56.992 ; 38.301,69.941 38.301,71.833 40.192,71.833 40.192,69.941 38.301,69.941 ; 38.379,70.019 38.379,71.755 40.114,71.755 40.114,70.019 38.379,70.019 ; 47.565,61.386 47.565,63.277 49.456,63.277 49.456,61.386 47.565,61.386 ; 47.643,61.464 47.643,63.199 49.383,63.199 49.383,61.464 47.643,61.464 ; 47.956,69.89 47.956,71.782 49.843,71.782 49.843,69.89 47.956,69.89 ; 48.029,69.968 48.029,71.704 49.77,71.704 49.77,69.968 48.029,69.968 ; 62.418,69.941 62.418,71.833 64.31,71.833 64.31,69.941 62.418,69.941 ; 62.496,70.019 62.496,71.755 64.232,71.755 64.232,70.019 62.496,70.019
  lines w0.15: 8.534,-37.682 8.534,-39.008 13.047,-39.008 13.047,-37.672 8.544,-37.672 ; 14.752,56.043 14.752,95.512 ; 40.675,-12.361 40.675,-12.335 40.7,-12.309
  lines w0.175: 17.93,-7.296 33.93,-7.296 ; 17.93,-7.295 17.93,2.104 33.93,2.104 33.93,-7.288
  text "PCB加工工艺要求说明" at 9.552,98.112 h5
  text "层数:" at -6.398,92.262 h3
  text "层" at 20.752,92.262 h3
  text "2" at 16.952,92.212 h3
  text "1" at -9.979,91.979 h2
  text "mm" at 22.052,87.712 h3
  text "1.6" at 16.952,87.462 h3
  text "板厚:" at -6.395,87.412 h3
  text "2" at -9.979,87.049 h2
  text "FR4 双面玻纤板" at 16.752,83.162 h3
  text "材料:" at -6.395,83.112 h3
  text "3" at -9.979,82.859 h2
  text "大于35um" at 16.652,79.162 h3
  text "铜箔厚度:" at -6.398,79.112 h3
  text "4" at -9.979,79.012 h2
  text "5" at -9.979,75.039 h2
  text "过孔处理:" at -6.348,74.912 h3
  text "盖油" at 16.452,74.812 h3
  text "表面处理:" at -6.348,70.162 h3
  text "镀镍" at 31.651,70.139 h3
  text "抗氧化" at 19.802,70.071 h3
  text "镀金" at 41.127,70.062 h3
  text "沉金" at 64.852,70.057 h3
  text "无铅喷锡" at 50.467,70.003 h3
  text "6" at -9.979,69.909 h2
  text "沉金厚度:" at -6.348,66.012 h3
  text "金厚>1u\"" at 16.652,65.862 h3
  text "7" at -9.979,65.759 h2
  text "阻焊，字符颜色：" at -6.351,61.862 h3
  text "8" at -9.979,61.769 h2
  text "绿油白字" at 19.552,61.562 h3
  text "亮黑油白字" at 33.252,61.512 h3
  text "红油白字" at 50.352,61.462 h3
  text "符合RoHS标准：" at -6.348,57.562 h3
  text "9" at -9.979,57.539 h2
  text "是" at 19.852,57.012 h3
  text "否" at 34.302,57.012 h3
  text "拼板方式：" at -6.348,53.262 h3
  text "10" at -9.979,53.052 h2
  text "见右图" at 23.852,43.512 h2.52
  text "版本：" at 45.36,25.045 h3
  text "PCB名称：" at -9.307,24.906 h3
  text "把我司料号丝印在工艺板上" at 10.576,20.785 h2.5
  text "其他特殊说明:" at -9.307,19.562 h3
  text "生产日期请丝印在PCB正面指定的位置。" at 8.845,18.446 h2.5
  text "VBUS" at 6.063,-4.265 h0.8
  text "+" at 23.725,-4.807 h1.5
  text "+" at 38.963,-7.993 h1
  text "喇叭" at 33.067,-10.635 h1.8 r90
  text "-" at 12.763,-10.726 h1.8
  text "+" at 15.378,-11.281 h1.8
  text "VBAT" at 22.144,-12.41 h0.8 r90
  text "GND" at 14.015,-17.229 h0.8
  text "SDA" at 16.542,-25.232 h0.8
  text "SWIM" at 14.618,-28.797 h0.85
  text "SCL" at 16.602,-31.665 h0.8
  text "NRST" at 28.992,-31.831 h0.8
  text "P8" at 20.928,-34.119 h0.8 r90
  text "P9" at 22.13,-35.984 h0.8
  text "GND" at 29.536,-36.236 h0.9
  text "3.3V" at 14.299,-38.45 h0.8
  text "掌控拓展板Ⅰ" at 19.466,-38.681 h2.5
  text "V1.4" at 38.367,-38.868 h1.5
  text "下方这两排(0.95MM)插孔要求走正公差+0到0.05MM内" at 18.865,-52.358 h3
  text "生产日期请丝印再此处（ TOP Overlay层）" at 5.062,-65.655 h3
Bottom Overlay:
  drawing of 48460 lines, arcs and shapes, not listed
Top Solder:
  lines w0.013: 13.979,-3.043 ccw(c13.9,-1.544) 15.389,-1.728
Bottom Solder:
  drawing of 8650 lines, arcs and shapes, not listed
Mechanical 7:
  circle w0.15: c25.9,-34.027 r3
  lines w0.15: 14.571,-45.254 14.571,-44.336 ; 15.401,-44.336 14.571,-44.336 ; 18.062,-52.506 18.062,-47.827 ; 19.371,-44.669 20.752,-44.669 ; 20.752,-45.529 20.752,-44.669 ; 14.571,-44.336 18.062,-47.827 ; 18.062,-47.827 18.062,-47.359 20.752,-44.669
  lines w0.2: 8.862,-39.302 9.902,-38.262 ; 9.902,-63.739 9.902,-38.262 ; 10.981,-39.341 9.902,-38.262

## Text inside footprints (layer, text, board x,y; h text height)
D1: Top Overlay "+" at 51.28,-2.992 h1
D3: Top Overlay "+" at 0.404,-2.256 h1 r180